# KiCad board FSKGroundStation.kicad_pcb (continued)
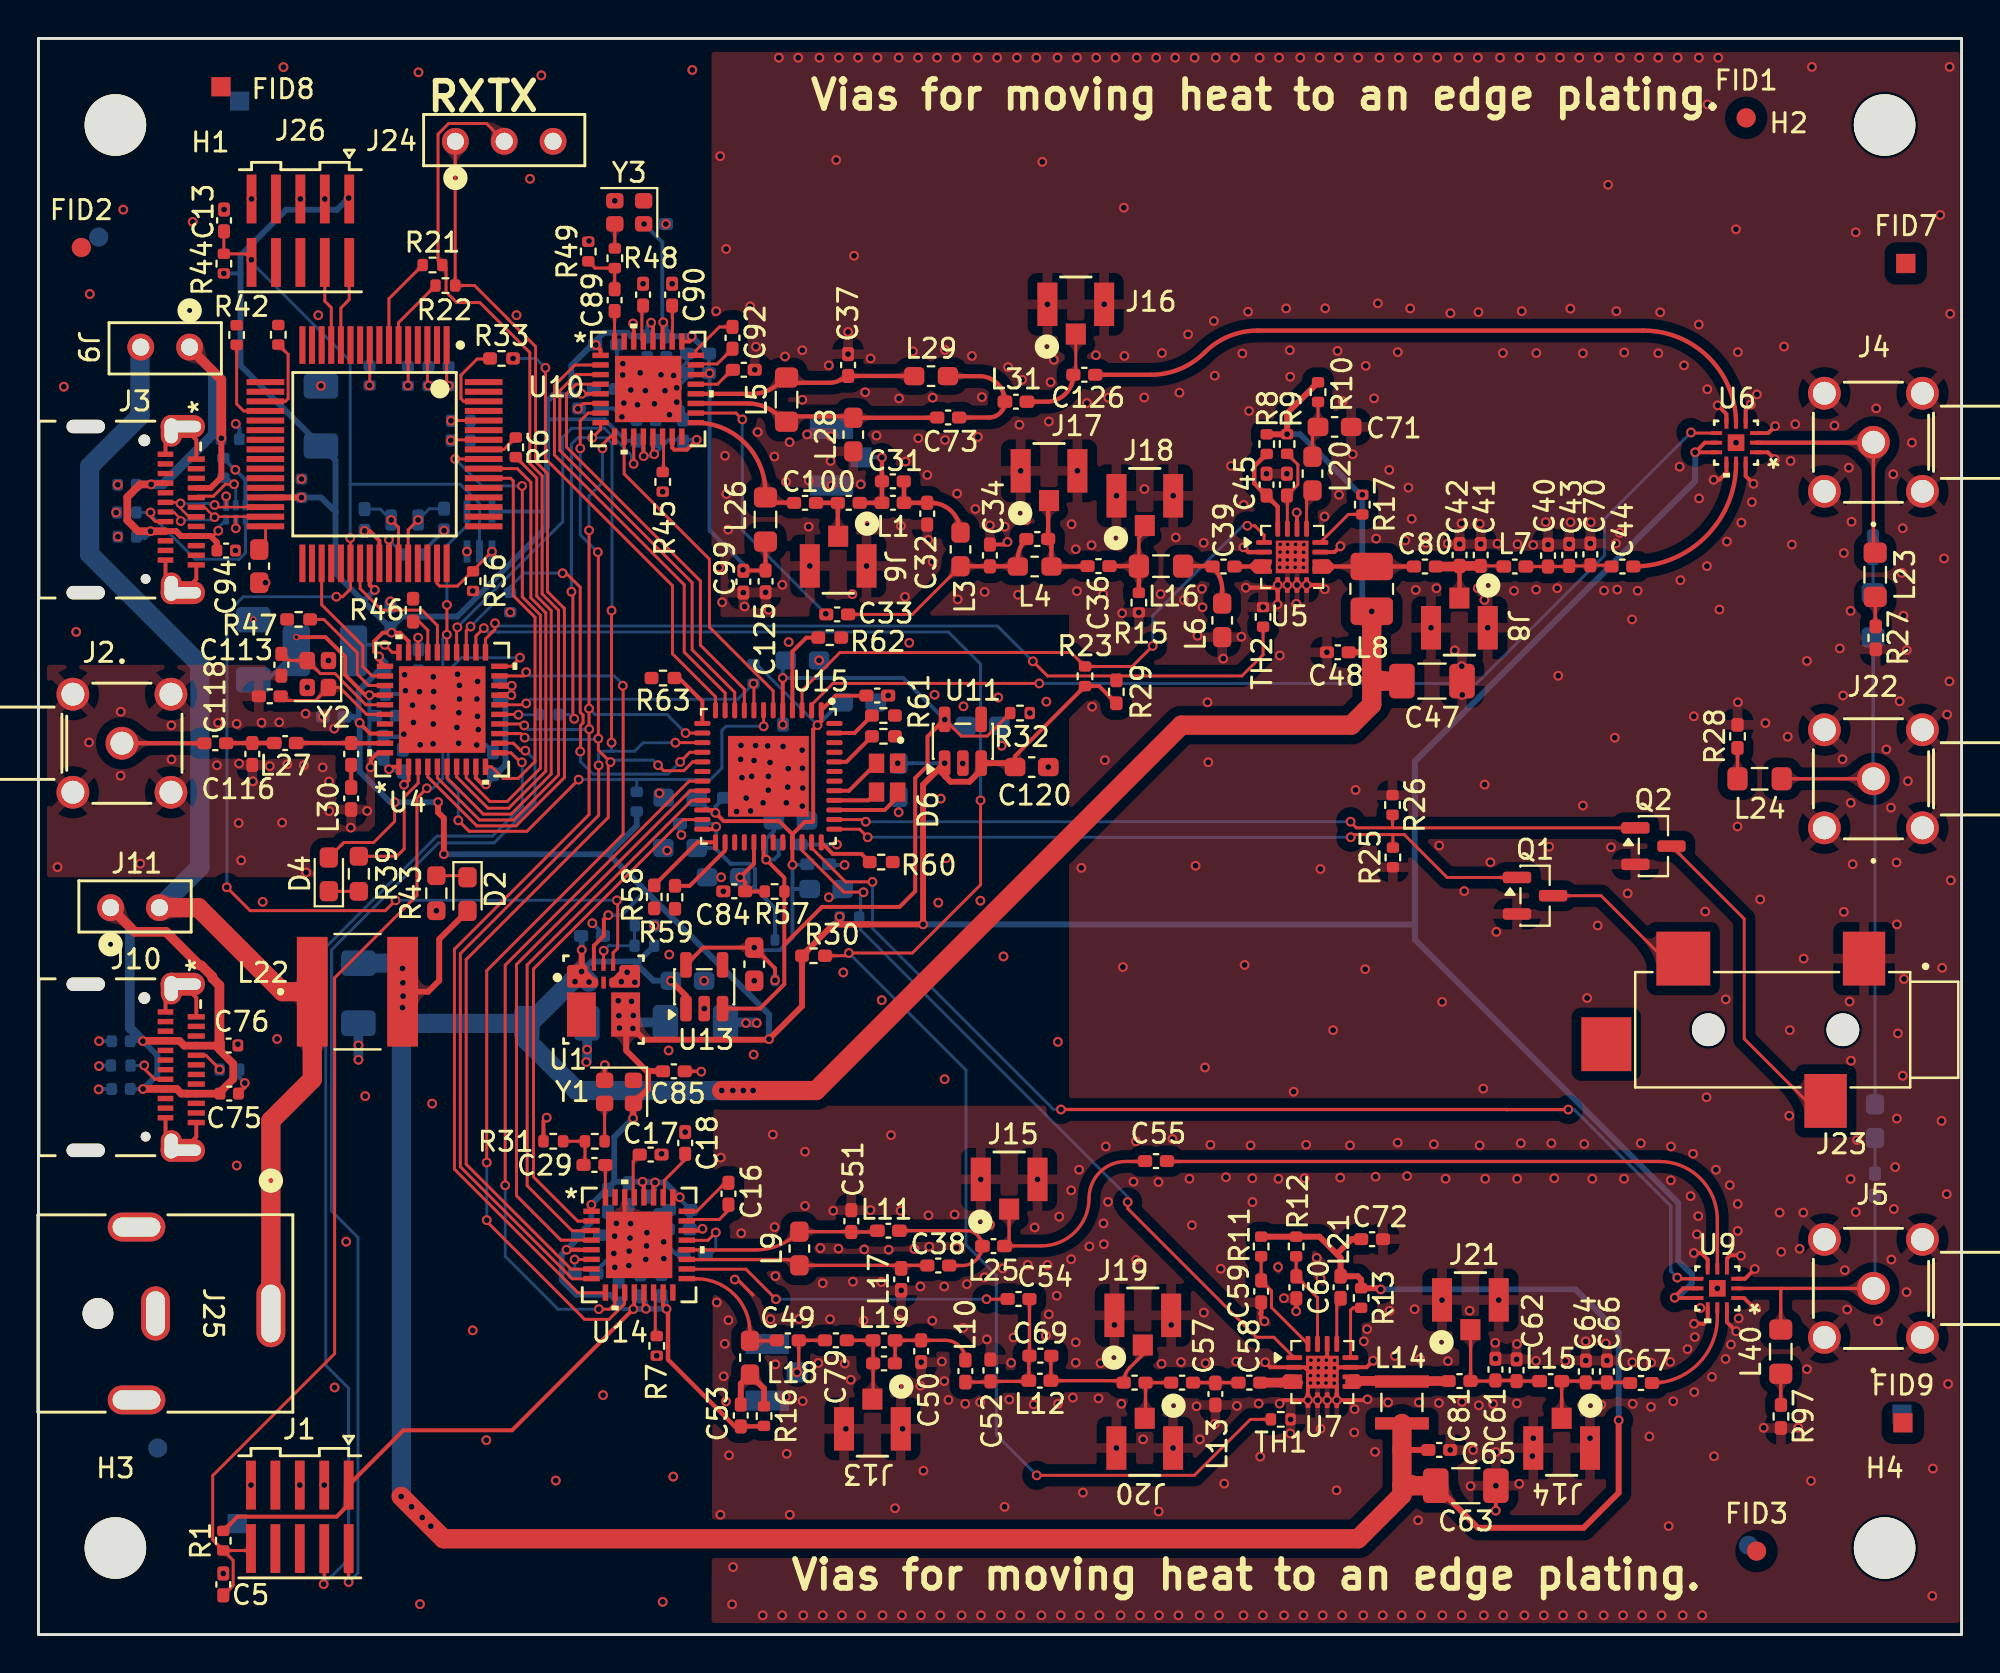
[diagram p0: board, top side]
## Routing (per net, layer and track width the routed paths; a pad name or vN(x,y) marks a point on that pad's centre or on a via; arc(x,y) is an arc through that point) (continued)
/USB/USB-: length 6.8
  Top Components.Cu w0.127: v1(9.16,58.74) 9.27,58.63 9.76,58.63 ; 7.82,58.13 7.36,58.59 7.36,58.61 7.39,58.63 v1(7.39,58.82) 7.24,58.82 7.18,58.88 J3.B7 ; 11.18,58.63 9.76,58.63 ; 9.76,58.63 v1(9.76,59.19)
  BackComponets.Cu w0.127: 8.59,58.82 8.85,58.82 8.93,58.74 v1(9.16,58.74) ; 8.59,58.82 v1(7.39,58.82) ; 8.59,58.82 8.75,58.82 ; U8.1 v1(9.76,59.19)
CPU_RESET_N: length 4.7
  Top Components.Cu w0.152: U3.47 20.73,54.66 20.87,54.52 21.79,54.52 v1(23.58,56.32)
FPGA_CDONE/IRQ_N: length 34.2
  Top Components.Cu w0.152: v1(28.09,44.46) 25.4,41.77 22.4,41.77 v1(21.83,42.34) ; v1(25.04,50.8) 24.59,50.35 U4.20 ; U15.7 37.7,47.23 v1(37.71,47.23)
  BackComponets.Cu w0.152: R36.1 31.11,44.46 ; 31.11,44.46 28.19,44.46 ; 31.11,44.46 34.94,44.46 35.54,45.06 35.54,47.02 35.75,47.23 v1(37.71,47.23) ; v1(25.04,50.8) 22,50.8 21.3,50.1 21.3,44.4 21.83,43.87 v1(21.83,42.34)
FPGA_CLK: length 23.4
  Top Components.Cu w0.152: U15.12 35.2,48.77 32.97,51 32.97,54.54 26.36,61.15 v1(26.36,65.87)
  BackComponets.Cu w0.152: v1(26.36,65.87) 25.87,66.36 v1(24.68,66.36)
FPGA_RESET_N: length 14.9
  Top Components.Cu w0.152: 25.25,48.39 25.21,48.35 U4.16 ; v1(37.18,49.45) 37.2,49.43 U15.8
  BackComponets.Cu w0.152: v1(37.18,49.45) 36.37,48.64 25.58,48.64 v1(25.36,48.42)
FPGA_SPI_SSEL: length 24.9
  Top Components.Cu w0.152: U4.23 22.25,52.19 v1(22.47,52.42) ; v1(27.25,55.19) 27.44,55.19 28.17,54.46 28.17,47.96 28.32,47.81 28.32,47.41 28.18,47.27 28.18,46.89 28.19,46.88 28.19,46.19 28.17,46.17 v1(28.17,45.92) ; v1(33.37,45.38) 33.87,45.88 U15.16
  BackComponets.Cu w0.152: v1(22.47,52.42) 25.25,55.2 27.07,55.2 27.08,55.19 v1(27.25,55.19) ; v1(33.37,45.38) 32.73,44.74 28.84,44.74 28.19,45.39 28.19,45.9 v1(28.17,45.92)
RADIO1_GPIO0: length 17.4
  Top Components.Cu w0.152: U15.6 38.2,49.07 34.89,52.39 34.89,55.92 30.45,60.36 U10.10
RADIO1_GPIO2: length 22.3
  Top Components.Cu w0.152: U15.9 36.7,49.17 34.42,51.45 34.42,54.79 27.46,61.75 27.46,64.52 27.96,65.02 U10.4
RADIO1_GPIO3: length 22.8
  Top Components.Cu w0.152: U10.3 27.95,65.52 27.11,64.68 27.11,61.58 33.99,54.7 33.99,51.21 36.2,49 U15.10
RADIO1_RESET_N: length 23.4
  Top Components.Cu w0.152: U15.11 35.7,48.97 33.58,51.09 33.58,54.59 26.83,61.34 26.83,64.95 27.9,66.02 U10.2
RADIO1_SPI_SSEL: length 19.7
  Top Components.Cu w0.152: U4.24 21.75,52.22 21.82,52.29 ; v1(30.95,60.88) 30.95,60.97 30.95,60.98 U10.11
  BackComponets.Cu w0.152: v1(30.95,60.88) 30.84,60.98 30.84,61.32 29.43,62.73 27.72,62.73 27.26,62.27 27.26,57.86 v1(21.78,52.38)
RADIO2_GPIO0: length 36.9
  Top Components.Cu w0.152: v1(29.14,16.92) 29.7,16.92 29.97,17.2 29.97,17.78 ; U15.19 33.84,44.38 24.27,34.81 v1(24.27,23.36)
  BackComponets.Cu w0.152: v1(29.14,16.92) 27.01,16.92 24.27,19.66 v1(24.27,23.36)
RADIO2_GPIO2: length 30.3
  Top Components.Cu w0.152: U15.20 33.89,43.88 24.86,34.85 24.86,22.82 27.17,20.51 U14.4
RADIO2_GPIO3: length 28.4
  Top Components.Cu w0.152: U15.21 33.97,43.38 25.41,34.82 25.41,23.34 27.75,21 28.75,21
RADIO2_RESET_N: length 26.8
  Top Components.Cu w0.152: 28.75,21.5 28.04,21.5 25.74,23.8 25.74,34.61 33.51,42.38 U15.23
RADIO2_SPI_SSEL: length 47.9
  Top Components.Cu w0.152: v1(23.31,24.55) 23.31,34.53 30.4,41.62 30.4,49.32 v1(30.39,49.34) ; v1(23.31,21.55) 23.31,21.48 28.4,16.39 29.67,16.39 30.47,17.19 30.47,17.78 ; v1(25.36,50.05) 25.36,49.94 25.27,49.85 U4.19
  BackComponets.Cu w0.152: v1(30.39,49.34) 30.39,49.4 29.94,49.85 25.56,49.85 v1(25.36,50.05) ; v1(23.31,24.55) v1(23.31,21.55)
RADIO_SPI_MISO: length 63.4
  Top Components.Cu w0.152: v1(25.26,47.28) 25.19,47.35 U4.14 ; 29.47,17.78 28.06,17.78 21.63,24.2 21.63,35.64 28.63,42.64 v1(28.63,57.42) ; U15.14 v1(33.65,46.88) ; U10.9 29.75,62.3 29.33,61.88 v1(29.33,61.68)
  BackComponets.Cu w0.152: v1(28.64,47.08) 28.63,47.07 25.46,47.07 v1(25.26,47.28) ; v1(33.65,46.88) 32.69,47.84 28.94,47.84 v1(28.63,48.15) ; v1(28.63,57.42) 28.63,59.21 29.33,59.91 v1(29.33,61.68)
RADIO_SPI_MOSI: length 63.1
  Top Components.Cu w0.152: 24.77,46.85 24.93,46.85 ; 24.77,46.85 U4.13 ; 24.77,46.85 25.07,46.85 v1(25.28,46.64) ; v1(29.09,56.29) 29.11,56.26 v1(29.11,46.59) 29.11,45.99 29.73,45.37 v1(29.74,45.37) 29.63,45.26 29.63,42.49 22.24,35.1 22.24,24.45 27.7,19 28.75,19 ; U15.17 34.02,45.38 33.56,44.92 32.51,44.92 v1(32.22,45.21) ; v1(28.17,61.68) 28.17,61.69 28.17,63.11 28.58,63.52 U10.7
  BackComponets.Cu w0.152: v1(25.28,46.64) 25.38,46.54 29.06,46.54 v1(29.11,46.59) ; v1(29.09,56.29) 29.08,56.29 28.17,57.2 28.17,61.68 v1(28.17,61.68) ; v1(29.74,45.37) 29.84,45.47 31.96,45.47 v1(32.22,45.21)
RADIO_SPI_SCLK: length 74.1
  Top Components.Cu w0.152: v1(29.13,45.2) 29.13,42.6 21.94,35.41 21.94,24.33 27.76,18.5 28.75,18.5 ; v1(27.86,47.62) 27.79,47.69 27.79,54.15 v1(27.71,54.23) ; v1(28.8,62.23) 29.23,62.67 U10.8 ; v1(29.8,53.25) v1(29.8,46.38) ; U15.15 v1(33.12,46.38)
  BackComponets.Cu w0.152: v1(27.71,54.23) 27.71,54.47 27.71,54.47 27.71,61.9 28.05,62.24 ; 29.8,45.99 v1(29.8,46.38) ; 29.8,45.99 29.86,45.93 31,45.93 31.45,46.38 v1(33.12,46.38) ; 29.8,45.99 29.74,45.93 29.23,45.93 29.13,45.83 v1(29.13,45.2) ; 28.05,62.24 28.23,62.24 ; 28.05,62.24 28.34,62.24 v1(28.8,62.23) 29.53,62.23 29.83,61.94 29.83,53.28 v1(29.8,53.25) ; 27.81,47.63 27.6,47.84 R20.1
RESET_N: length 77.1
  Top Components.Cu w0.152: v1(16.21,57.02) 16.23,57 U3.38 16.23,54.38 15.82,53.97 v1(15.49,53.97) ; U1.5 29.88,35.45 30.12,35.69 30.12,38.14 v1(30.08,38.18) ; v1(11.07,71.49) 10.76,71.8 R44.1 9.64,72.96 ; v1(9.79,38.86) 11.01,37.64 18.03,37.64 v1(18.57,38.18)
  BackComponets.Cu w0.152: v1(16.21,57.02) 16.21,59.82 ; 16.21,59.82 21.93,59.82 22.93,58.82 U12.2 ; 16.21,59.82 16.21,66.23 11.14,71.3 ; v1(30.08,38.18) v1(18.57,38.18) ; v1(9.79,38.86) 9.8,38.87 9.8,53.11 10.65,53.97 v1(15.49,53.97)
RF_144: length 16.6
  Top Components.Cu w0.172: J4.1 95.42,56.35
  Top Components.Cu w0.225: 89.33,61.98 95.43,61.98
  BackComponets.Cu w0.152: C112.1 95.4,61.98
RF_440: length 14
  Top Components.Cu w0.172: 90.66,18 J5.1 ; 90.66,18 U9.2 ; 90.66,18 90.6,17.94 L40.1
  BackComponets.Cu w0.152: C129.2 95.5,18.11
SWDCK: length 53
  Top Components.Cu w0.152: U4.11 24.57,45.85 25.09,45.33 25.11,45.33 v1(25.13,45.36) ; v1(14.83,2.62) 14.86,2.65 J1.4
  BackComponets.Cu w0.152: v1(14.83,2.62) 16.13,3.92 16.13,12.8 14.94,13.99 14.94,35.74 20.72,41.52 23.62,41.52 25.16,43.07 25.16,45.33 v1(25.13,45.36)
SWDIO: length 53.5
  Top Components.Cu w0.152: J1.2 v1(16.13,2.73) ; v1(25.32,45.97) 25.08,45.97 24.7,46.35 U4.12
  BackComponets.Cu w0.152: v1(25.32,45.97) 25.82,45.46 25.82,43.3 23.69,41.17 20.8,41.17 15.25,35.61 15.25,22.02 16.61,20.65 16.61,3.21 v1(16.13,2.73)
TX_144_ON: length 42.5
  Top Components.Cu w0.152: Q2.1 70.41,41.95 ; 70.41,41.95 68.53,41.95 68.23,42.25 v1(68.23,42.27) ; 70.41,41.95 R26.2 ; U15.38 42.91,42.38 v1(43.02,42.27)
  BackComponets.Cu w0.152: v1(43.02,42.27) v1(68.23,42.27)
TX_440_ON: length 37.4
  Top Components.Cu w0.152: 70.34,41.6 70.43,41.6 R25.2 ; 70.34,41.6 68.38,41.6 v1(68.24,41.46) ; 70.34,41.6 71.02,41.6 73.25,39.37 Q1.1 ; v1(43.12,41.46) 42.7,41.88 U15.37
  BackComponets.Cu w0.152: v1(43.12,41.46) v1(68.24,41.46)
USB_DATA_READY: length 7.6
  Top Components.Cu w0.152: U3.35 14.73,53.55 16.87,51.41 16.87,50.33 17.35,49.85 U4.32
USB_RX: length 45.7
  Top Components.Cu w0.152: U4.4 20.24,44.6 22.79,42.05 24.83,42.05 27.35,44.57 27.35,53.35 27.32,53.38 27.32,53.38 26.47,54.23 26.47,60.37 25.85,60.99 25.85,66.98 24.68,68.15 24.67,68.15 24.4,68.42 24.4,68.43 22.68,70.15 R22.2 21.67,77.64
USB_SPI_MISO: length 26.3
  Top Components.Cu w0.152: v1(25.15,59.73) 25.16,59.73 25.16,53.96 26.1,53.02 26.1,45.05 24.37,43.32 23.47,43.32 22.25,44.55 U4.8 ; U3.56 v1(21.67,61.13)
  BackComponets.Cu w0.152: v1(25.15,59.73) 23.07,59.73 v1(21.67,61.13)
USB_SPI_MOSI: length 24.7
  Top Components.Cu w0.152: U3.55 24.9,60.63 25.61,59.92 25.61,53.91 26.38,53.13 26.38,44.9 24.45,42.97 23.38,42.97 21.75,44.6 U4.7
USB_SPI_SCLK: length 24.9
  Top Components.Cu w0.152: U4.6 21.25,44.55 23.13,42.66 24.58,42.66 26.66,44.75 26.66,53.25 25.91,54 25.91,60.14 R6.2
USB_SPI_SSEL: length 19.8
  Top Components.Cu w0.152: U4.10 23.56,45.13 24.17,44.52 24.94,44.52 25.82,45.4 25.82,52.9 24.69,54.03 24.69,59.99 24.55,60.13 U3.54
USB_TX: length 49.4
  Top Components.Cu w0.152: J24.2 23.29,78.58 21.33,78.58 20.78,78.02 20.78,71.44 R21.2 21.2,71.02 21.2,69.82 21.75,69.27 22.95,69.27 25.55,66.67 25.55,60.9 26.19,60.26 26.19,54.12 27.04,53.26 27.04,44.7 24.71,42.36 22.93,42.36 20.75,44.55 U4.5
USB_VBUS: length 31.2
  Top Components.Cu w0.152: v1(9.35,57.4) 9.01,57.06
  Top Components.Cu w0.305: v1(5.86,59.81) 5.93,59.88 J3.B9 ; J3.A4 8.96,59.63 9.51,60.18 v1(9.51,62.21) ; 7.15,57.38 7.33,57.2 ; 7.15,57.38 7.4,57.13 J3.A9 ; 7.15,57.38 J3.B4 ; 7.15,57.38 7.15,57.37 ; 7.57,57.13 8.95,57.13 9.28,56.8 C94.1
  Top Components.Cu w0.4: J3.B4 v1(5.83,57.38) 5.18,57.38 4.62,57.94 4.62,59.15 5.28,59.81 v1(5.86,59.81)
  Top Components.Cu w0.5: v1(9.51,62.21) 9.51,65.26 7.8,66.97
  BackComponets.Cu w0.152: v1(9.35,57.4) 9.35,57.57 U8.6
  BackComponets.Cu w0.305: C95.1 5.54,57.09 v1(5.83,57.38) ; C96.1 5.84,59.79 v1(5.86,59.81)
  BackComponets.Cu w0.5: v1(5.86,59.81) 6.47,59.81 9.07,62.41 9.07,65.7 7.8,66.97
Net-(C29-Pad2): length 2.3
  Top Components.Cu w0.152: 28.42,24.5 R14.1 R31.2
Net-(C31-Pad2): length 4.7
  Top Components.Cu w0.225: 46.21,58.85 L1.2 45.01,59.96 ; 46.39,58.86 arc(47.49,58.4) L3.1
Net-(C33-Pad2): length 11
  Top Components.Cu w0.152: L3.2 45.44,53.05 C33.2
  Top Components.Cu w0.225: L3.2 49.47,55.56 ; C34.2 50.92,55.55 ; 50.92,55.9 arc(51.04,56.48) C35.1
Net-(C38-Pad2): length 7
  Top Components.Cu w0.172: L11.2 48.27,21 arc(48.83,20.77) 49.06,20.21 arc(48.76,19.49) 48.04,19.19 C38.2
Net-(C39-Pad1): length 3.6
  Top Components.Cu w0.225: 61.56,53.61 61.56,54.33 arc(61.43,54.99) C39.1 ; L16.2 61.03,55.56
Net-(C39-Pad2): length 5.1
  Top Components.Cu w0.225: 63.27,55.64 63.09,55.59 ; 63.27,55.64 63.99,55.64 ; 63.27,55.64 63.29,55.79 ; 63.2,55.4 63.31,55.29 U5.4 ; 63.2,55.4 63.12,55.48 ; 63.2,55.4 63.25,55.45 63.26,55.44 63.97,55.44 ; 63.13,55.54 63.97,55.54 ; 63.13,55.54 63.13,55.63 63.29,55.79 ; 63.13,55.54 C39.2 ; 63.29,55.79 U5.3
Net-(C40-Pad2): length 4.3
  Top Components.Cu w0.152: 79.56,55.54 C40.2 L7.2 ; C70.2 81.73,55.61 ; C43.2 80.66,55.57
Net-(C50-Pad2): length 5.4
  Top Components.Cu w0.172: 44.55,14.11 L19.2 C50.2 47.17,15.3 arc(47.9,15) L10.1
Net-(C52-Pad2): length 7.4
  Top Components.Cu w0.172: L12.1 51.5,14.47 ; L10.2 49.46,13.13 ; C52.2 51.47,13.17 ; C54.2 C69.1
Net-(C53-Pad1): length 3.7
  Top Components.Cu w0.305: R16.1 37.73,12.8 37,13.53 36.52,13.05 C53.1
Net-(C57-Pad2): length 2.1
  Top Components.Cu w0.172: C57.2 61.07,13.1 ; C58.1 61.33,13.1
Net-(C58-Pad2): length 3.4
  Top Components.Cu w0.254: 64.76,13.01 64.87,12.9 U7.4 ; U7.3 64.88,13.4 64.58,13.1
  Top Components.Cu w0.5: C58.2 65.51,13.1
Net-(C71-Pad2): length 2.6
  Top Components.Cu w0.152: C71.2 66.54,64.1 ; L20.2 66.25,62.51
Net-(C73-Pad2): length 6.6
  Top Components.Cu w0.225: L29.2 48.93,65.44 arc(49.87,65.05) L31.1 arc(50.02,63.53) 49.44,63.29 C73.2
Net-(C74-Pad1): length 33.8
  Top Components.Cu w0.203: 5.44,28.37 v1(5.44,28.37) ; 5.44,30.88 v1(5.43,30.86)
  Top Components.Cu w0.4: 5.44,30.88 7.33,30.88 7.57,30.63 J10.A4 9.41,30.63 ; C76.1 9.41,30.4 10.13,29.68 10.13,28.89 9.44,28.2 ; 9.44,28.12 7.76,28.12 7.75,28.13 7.43,28.13 7.19,28.37 J10.B4 5.44,28.37
  Top Components.Cu w0.5: J11.1 5.01,36.54 6.63,36.54 8.37,34.79 8.47,34.79 9.04,34.22 9.04,34.13 9.41,33.76 C76.1
  BackComponets.Cu w0.203: v1(5.44,28.37) C77.1 ; v1(5.43,30.86) 4.78,30.86
  BackComponets.Cu w0.305: v1(5.44,28.37) 6.18,29.11 6.18,30.11 v1(5.43,30.86)
  BackComponets.Cu w0.5: J11.1 4.75,36.8 4.75,31.54 v1(5.43,30.86)
Net-(C80-Pad1): length 8.3
  Top Components.Cu w0.225: 66.35,55.42 66.36,55.41 67.13,55.41 67.25,55.45 67.09,55.29 U5.9 ; 66.35,55.54 L8.1 C80.1 ; 67.18,55.65 67.28,55.58 ; 67.18,55.65 67.07,55.79 U5.10 ; 67.18,55.65 66.37,55.65
Net-(C81-Pad1): length 6.2
  Top Components.Cu w0.254: U7.9 68.6,12.9 68.7,13 ; 68.7,13.3 68.6,13.4 U7.10
  Top Components.Cu w0.5: 71.95,13.19 68.29,13.19 68.27,13.21 68.2,13.14 ; 71.96,13.18 C81.1
Net-(C89-Pad2): length 2.6
  Top Components.Cu w0.152: C89.2 29.96,71.05 ; R49.2 28.94,71.06 R48.1
Net-(C112-Pad2): length 1.8
  BackComponets.Cu w0.152: L35.1 C112.2
Net-(C116-Pad2): length 2.8
  Top Components.Cu w0.225: 12.55,46.36 11.12,46.36 ; C116.2 9.77,46.36
Net-(C117-Pad1): length 1.2
  Top Components.Cu w0.203: C117.1 L30.2
Net-(C118-Pad2): length 4.3
  Top Components.Cu w0.225: C118.2 J2.1
Net-(C129-Pad1): length 1.9
  BackComponets.Cu w0.152: C129.1 L44.2
Net-(D2-K): length 1.5
  Top Components.Cu w0.152: R43.1 22.23,39.46
Net-(D4-K): length 1.5
  Top Components.Cu w0.152: R39.1 15.11,38.65
Net-(J3-CC1): length 4
  Top Components.Cu w0.152: v1(10.17,59.82) 9.72,59.82 9.1,59.2 8.28,59.2 J3.A5
  BackComponets.Cu w0.152: 9.67,60.1 9.89,60.1 v1(10.17,59.82) 10.26,59.73 U8.2
Net-(J3-CC2): length 9.7
  Top Components.Cu w0.152: J3.B5 6.09,57.88 5.83,58.14 v1(5.83,58.35)
  BackComponets.Cu w0.152: U8.4 10.76,56.24 10.43,55.91 8.16,55.91 5.83,58.24 v1(5.83,58.35) R4.2
Net-(J7-In): length 4.6
  Top Components.Cu w0.225: C30.2 43.86,58.85 ; L1.1 43.86,59.97 ; C31.1 v1(43.86,61.21)
  BackComponets.Cu w0.225: J7.1 43.84,61.22 arc(43.85,61.22) v1(43.86,61.21)
Net-(J8-In): length 5.1
  Top Components.Cu w0.152: C41.2 76.16,55.57
  Top Components.Cu w0.225: C42.2 73.9,53.91
  Top Components.Cu w0.5: C42.2 C41.2 ; C80.2 73.87,55.54
Net-(J10-CC1): length 1.5
  Top Components.Cu w0.152: v1(9.42,29.38) 9.42,29.41 8.7,30.12 J10.A5
Net-(J10-CC2): length 2.2
  Top Components.Cu w0.152: v1(5.5,29.6) 5.51,29.59 5.51,29.41 6.05,28.88 J10.B5
  BackComponets.Cu w0.152: R19.2 5.49,29.59 v1(5.5,29.6)
Net-(J13-In): length 4.4
  Top Components.Cu w0.172: 43.4,12.27 C68.1 L19.1 C79.2
Net-(J14-In): length 5.9
  Top Components.Cu w0.172: 82.73,13.11 C66.2 C64.2 ; 79.21,12.3 79.21,12.2 79.2,12.2 J14.1 ; 79.21,12.3 79.21,11.76 ; 79.21,12.3 L15.2 80.4,13.18
Net-(J15-In): length 11.9
  Top Components.Cu w0.172: J15.1 50.47,20.44 L25.2 ; 50.2,20.21 52.15,20.21 arc(53.9,20.94) 54.63,22.69 arc(55.19,24.04) 56.54,24.6 57.57,24.6
Net-(J16-In): length 5.2
  Top Components.Cu w0.152: J16.1 53.94,65.64
  Top Components.Cu w0.225: L31.2 52.42,64.11 arc(53.4,64.52) C126.1
Net-(J17-In): length 5.2
  Top Components.Cu w0.225: 52.5,58.86 C35.2 arc(52.63,56.78) 52.67,56.56 L4.2 54.53,55.54
Net-(J18-In): length 4.9
  Top Components.Cu w0.172: 57.54,57.36 57.22,57.04 L16.1
  Top Components.Cu w0.225: C36.2 L16.1 R15.2
Net-(J19-In): length 6.8
  Top Components.Cu w0.172: 56.33,13.2 52.64,13.2 52.64,14.48 ; 57.42,14.56 56.76,13.89 arc(56.52,13.53) C56.1
Net-(J20-In): length 3.1
  Top Components.Cu w0.172: 57.57,11.35 C56.2 C57.1
Net-(J21-In): length 6.2
  Top Components.Cu w0.172: C62.2 L15.1 ; 74.47,13.19 74.47,15.83 ; C81.2 75.73,13.18 ; C61.2 76.83,13.21
Net-(J22-Pad1): length 28.9
  Top Components.Cu w0.172: L24.1 J22.1
  BackComponets.Cu w0.152: L44.1 95.5,44.42
  BackComponets.Cu w0.172: L35.2 95.4,44.54
Net-(J26-TCK): length 4.4
  Top Components.Cu w0.152: U3.13 15.23,69 14.89,69.34 J26.4
Net-(J26-TMS): length 4.5
  Top Components.Cu w0.152: U3.12 15.73,68.99 16.05,69.31 16.05,69.32 16.16,69.43 J26.2
Net-(L23-Pad2): length 1.5
  Top Components.Cu w0.172: L23.2 95.51,52.46
Net-(L24-Pad2): length 1.6
  Top Components.Cu w0.172: L24.2 R28.1
Net-(L40-Pad2): length 1.6
  Top Components.Cu w0.172: L40.2 90.6,11.95
Net-(Q1-D): length 8.5
  Top Components.Cu w0.152: 85.49,34.19 81.26,38.42 Q1.3
Net-(Q2-D): length 17.6
  Top Components.Cu w0.152: Q2.3 88.7,37.22 88.7,30.98 92.93,26.75
Net-(U1-EN): length 3.5
  Top Components.Cu w0.152: v1(29.39,35.56) 29.38,35.55 U1.6
  BackComponets.Cu w0.152: v1(29.39,35.56) 29.39,35.56 29.65,35.82 R2.1 31,36.86
Net-(U3-PA2_ROSC): length 2.3
  Top Components.Cu w0.152: U3.42 v1(18.23,56.94)
  BackComponets.Cu w0.152: v1(18.23,56.94) 18.23,56.9 R40.2
Net-(U3-PA3_LFXIN): length 4
  Top Components.Cu w0.152: U3.43 18.73,57.57 v1(18.34,57.96)
  BackComponets.Cu w0.152: v1(18.34,57.96) 17.77,58.53 C114.2
Net-(U3-PA4_LFCLK_IN_LFXOUT): length 4.1
  Top Components.Cu w0.152: U3.44 19.23,57.45 v1(19.74,57.96)
  BackComponets.Cu w0.152: v1(19.74,57.96) 20.33,58.55 C115.2
Net-(U3-PA11): length 1.9
  Top Components.Cu w0.152: R6.1 24.2,61.63 U3.57
Net-(U3-PA12_A0_18): length 2.1
  Top Components.Cu w0.152: v1(19.21,64.95) 19.23,64.97 U3.5
Net-(U3-PA13_A0_17): length 3.9
  Top Components.Cu w0.152: U3.6 18.73,68.23 R22.1
Net-(U3-PA14_A0_16): length 4.9
  Top Components.Cu w0.152: U3.7 18.23,69.47 R21.1
Net-(U3-PA16_A0_14): length 2.1
  Top Components.Cu w0.152: U3.9 17.23,64.97 v1(17.22,64.96)
Net-(U3-PB6): length 1.7
  Top Components.Cu w0.152: U3.58 21.47,62.13 v1(21.44,62.1)
Net-(U3-PB8): length 1.7
  Top Components.Cu w0.152: v1(21.45,63.12) 21.46,63.13 U3.60
Net-(U3-PB10): length 4
  Top Components.Cu w0.152: U3.62 22.11,64.13 21.97,64.27 21.97,65.49 22.81,66.33 23.13,66.33 23.15,66.31
Net-(U3-PB13): length 2.2
  Top Components.Cu w0.152: U3.1 21.23,65.04 v1(21.33,64.94)
Net-(U3-PB15_A0_20): length 2.1
  Top Components.Cu w0.152: U3.3 20.23,65 v1(20.28,64.95)
Net-(U3-PB20_A0_6): length 4.3
  Top Components.Cu w0.152: R41.1 12.98,66.57 12.98,64.27 12.84,64.13 U3.19
Net-(U3-PB21_A0_25): length 4.7
  Top Components.Cu w0.152: R42.1 10.3,64 10.67,63.63 U3.20
Net-(U3-VCORE): length 1.2
  Top Components.Cu w0.152: 11.81,56.42 11.81,57.61
Net-(U4-DCDC_SW): length 2.2
  Top Components.Cu w0.152: U4.30 18.39,51.08 v1(18,51.47)
  BackComponets.Cu w0.203: 16.69,51.47 v1(18,51.47)
Net-(U4-DIO0): length 7.1
  Top Components.Cu w0.152: 16.68,40.47 18.63,40.47 19.02,40.86 19.02,43.55 19.75,44.28 U4.3
Net-(U4-DIO15): length 2.1
  Top Components.Cu w0.152: U4.15 24.94,47.85 v1(24.96,47.83)
  BackComponets.Cu w0.152: v1(24.96,47.83) 26.01,47.83
Net-(U4-DIO24_X32N): length 2.1
  Top Components.Cu w0.152: U4.27 20.24,52.22 19.8,52.67 R46.1
Net-(U4-DIO28_A0): length 6
  Top Components.Cu w0.152: U4.33 17.17,49.35 16.58,49.94 16.58,51.05 14.84,52.79 R47.1
Net-(U4-VDDD): length 1.4
  Top Components.Cu w0.152: U4.28 19.75,51.83 v1(19.74,51.84)
  BackComponets.Cu w0.152: v1(19.74,51.84) 19.74,51.25
Net-(U4-X48N): length 6.1
  Top Components.Cu w0.152: U4.36 17.06,47.85 15.66,49.25 Y2.1 14.4,48.57 12.81,48.57
Net-(U4-X48P): length 6.5
  Top Components.Cu w0.152: U4.35 17.03,48.35 15.71,49.67 15.71,49.68 15.42,49.97 14.66,49.97 Y2.3 12.98,50.65 C113.2
Net-(U5-BIAS): length 2.8
  Top Components.Cu w0.152: R17.2 68.12,58.25 U5.12
Net-(U5-VCC1): length 1.7
  Top Components.Cu w0.152: U5.13 65.94,59.19
Net-(U5-VENABLE1): length 4.7
  Top Components.Cu w0.225: U5.16 64.44,58.65 C45.2 63.22,59.87 63.22,60.75 63.87,61.39
Net-(U5-VENABLE2): length 4.3
  Top Components.Cu w0.152: R9.2 65.49,60.84 65.49,59.8 C46.2 ; U5.15 64.94,59.21
Net-(U7-BIAS): length 3.1
  Top Components.Cu w0.152: R13.2 68.35,16.99 68.23,16.87 68.23,14.41
Net-(U7-VCC1): length 2.2
  Top Components.Cu w0.152: U7.13 67.51,17.29
Net-(U7-VENABLE1): length 5.6
  Top Components.Cu w0.152: U7.16 64.12,17.01 64.12,17.87 C59.2 R11.1
Net-(U7-VENABLE2): length 5
  Top Components.Cu w0.152: R12.1 65.4,18.63 ; U7.15 66.51,17.52 C60.2
Net-(U10-DCPL): length 1.3
  Top Components.Cu w0.152: v1(28.05,63.74) 28.33,64.02 U10.6
Net-(U10-DCPL_PFD_CHP): length 1.9
  Top Components.Cu w0.152: 32.96,69.1 32.96,68.45 32.97,68.44 32.97,68.04 32.96,68.03 32.96,67.25
Net-(U10-DCPL_VCO): length 2.2
  Top Components.Cu w0.152: U10.21 35.31,65.02 36.06,65.77
Net-(U10-DCPL_XOSC): length 1.8
  Top Components.Cu w0.152: U10.29 31.38,67.32 31.38,69.05
Net-(U10-EXT_XOSC): length 1.6
  Top Components.Cu w0.152: U10.32 29.95,68.82
Net-(U10-LPF0): length 2.2
  Top Components.Cu w0.152: 34.23,66.07 35.3,66.07 36.09,66.86
Net-(U10-LPF1): length 2.7
  Top Components.Cu w0.152: C92.2 35.41,68 34.18,66.77 U10.24
Net-(U10-PA): length 7.2
  Top Components.Cu w0.225: 37.8,58.86 39.28,58.86 ; U10.17 arc(36.74,61.96) 37.8,59.4
Net-(U10-RBIAS): length 1.8
  Top Components.Cu w0.152: 32.5,60.49 32.5,62.25
Net-(U14-DCPL): length 1.6
  Top Components.Cu w0.152: 28.75,19.5 v1(27.88,19.5)
  BackComponets.Cu w0.152: v1(27.88,19.5) 27.89,19.49 C28.2
Net-(U14-DCPL_PFD_CHP): length 2.4
  Top Components.Cu w0.152: 32.55,22.8 32.55,23.62 33.63,24.7
Net-(U14-DCPL_VCO): length 2.9
  Top Components.Cu w0.152: v1(35.22,20.91) 34.81,20.5 33.7,20.5
  BackComponets.Cu w0.152: 34.98,19.8 35.22,20.04 v1(35.22,20.91)
Net-(U14-DCPL_XOSC): length 2.3
  Top Components.Cu w0.152: C17.2 30.93,24.62 30.93,22.77
Net-(U14-EXT_XOSC): length 1.7
  Top Components.Cu w0.152: C29.1 29.48,22.73
Net-(U14-LPF0): length 2.4
  Top Components.Cu w0.152: 33.7,21.5 33.78,21.58 35.4,21.58 35.88,22.06
Net-(U14-LPF1): length 2.9
  Top Components.Cu w0.152: 35.88,23.66 34.22,22 33.7,22
Net-(U14-PA): length 6.2
  Top Components.Cu w0.172: 33.77,18.5 34.21,18.5 arc(36.18,17.68) 37,15.71 ; 37,15.27 38.37,15.27
Net-(U14-RBIAS): length 2.2
  Top Components.Cu w0.152: 32.07,15.6 32.07,17.68 31.98,17.78
Net-(U15-IOB_2A): length 2.3
  Top Components.Cu w0.203: R61.1 42.43,46.88 U15.47
Net-(U15-IOB_3B_G6): length 2.5
  Top Components.Cu w0.203: R37.1 42.01,45.38 U15.44
Net-(U15-IOB_8A): length 4.7
  Top Components.Cu w0.203: U15.4 39.2,51.12 39.92,51.84 R62.1
Net-(U15-IOB_24A): length 2.9
  Top Components.Cu w0.203: 33.31,49.74 34.52,48.53 U15.13
Net-(U15-IOT_36B): length 4.1
  Top Components.Cu w0.203: U15.25 34.26,41.19 R58.1
Net-(U15-IOT_39A): length 3.8
  Top Components.Cu w0.203: U15.26 35.7,40.78 33.86,38.94 R59.1
Net-(U15-IOT_48B): length 2.9
  Top Components.Cu w0.203: U15.36 41.3,40.6 42.8,40.6 43.22,40.17
Net-(U15-RGB0): length 2.8
  Top Components.Cu w0.203: U15.41 42.15,43.88 D6.4
Net-(U15-RGB1): length 2.4
  Top Components.Cu w0.203: U15.40 43.15,43.38 D6.3
Net-(U15-RGB2): length 3.8
  Top Components.Cu w0.203: U15.39 44.01,42.88 44.68,43.55 D6.2
Net-(U15-VCCPLL): length 4
  Top Components.Cu w0.203: R57.2 36.76,38.64 ; U15.29 37.2,40.09 v1(36.49,39.38) 36.75,39.12 C84.2
Net-(Y1-OUT): length 2
  Top Components.Cu w0.152: Y1.3 R14.2
Net-(Y3-OUT): length 1.3
  Top Components.Cu w0.152: R48.2 Y3.3

## Copper pours and planes (outline as drawn; the poured copper is in the pictures)
GND on Top Components.Cu: 0.54,50.43 13.07,50.43 13.09,48.14 17.5,48.13 17.5,39.38 0.44,39.38 0.44,50.33
GND on Top Components.Cu, BackComponets.Cu: 35,82.3 35,52.9 53.59,53.03 53.59,27.5 35.1,27.5 35,0.6 99.9,0.6 99.9,82.3
GND on GND.Cu, GND2.Cu: 0.2,82.3 0.2,0.6 99.9,0.6 99.9,82.3

Small or netless copper shapes (teardrops, artwork), in the pictures only: 459 on Top Components.Cu, 124 on BackComponets.Cu

## Text on the board
F.Silkscreen: RX | TX | Vias for moving heat to an edge plating.
